# Allegro board LAY-29364_B.brd (continued)
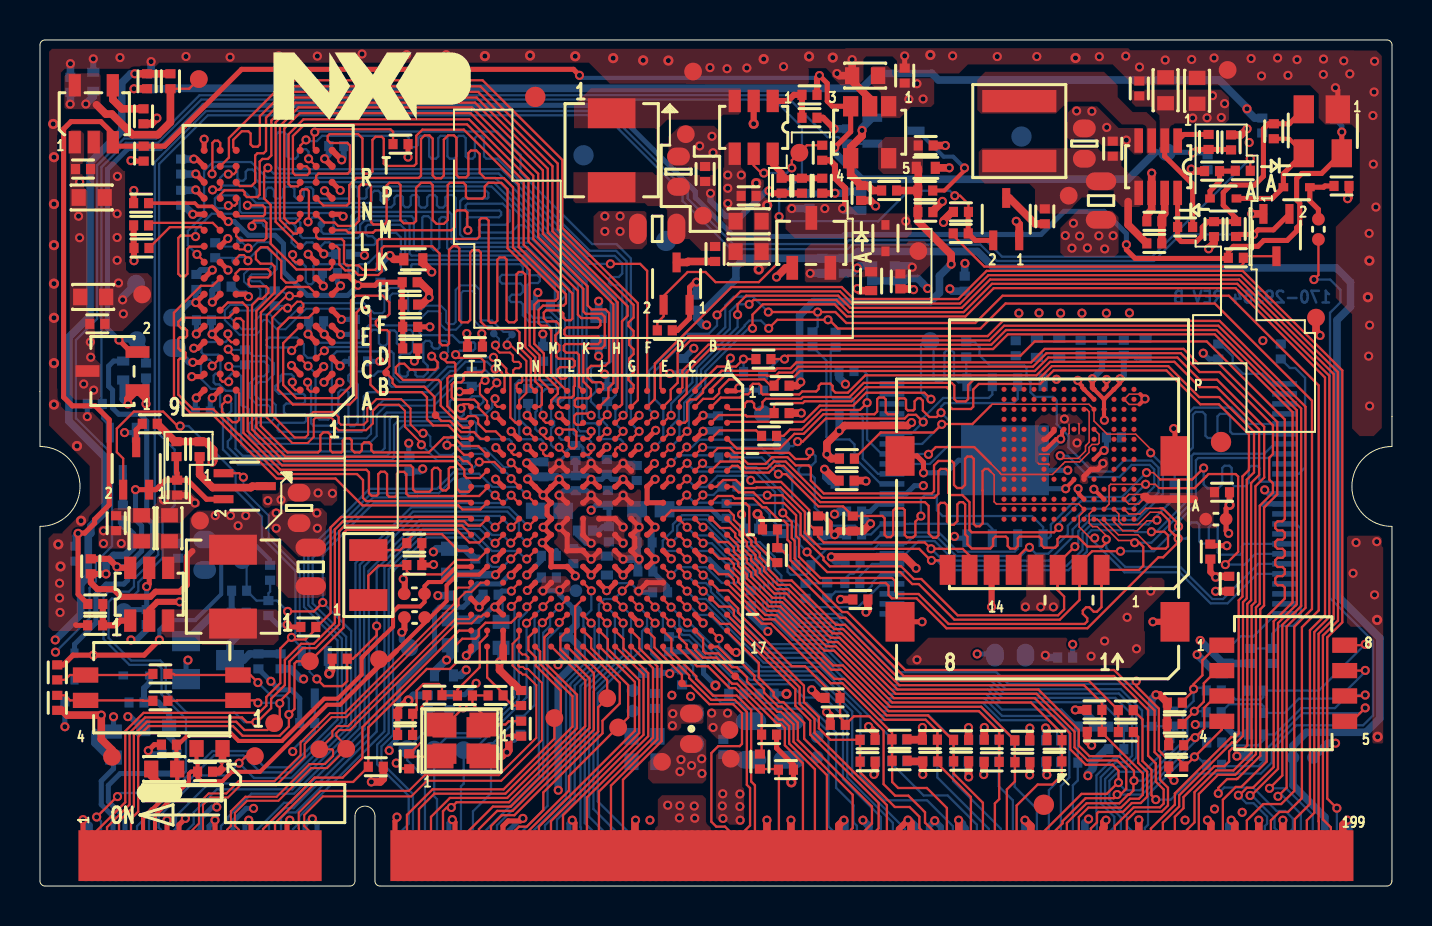
[diagram p0: board, top side]
## Routing (per net, layer and track width the routed paths; a pad name or vN(x,y) marks a point on that pad's centre or on a via; arc(x,y) is an arc through that point) (continued)
PMIC_ON_REQ: length 131.8
  TOP w0.114: U101.T9 22.01,18.04 21.43,18.04 21.21,18.26 15.15,18.26 14.74,17.85 14.74,13.17 13.69,12.12 13.05,12.12 12.24,11.31 12.24,10.06 11.56,9.37 11.56,8.9 10.86,8.2 v1(10.8,8.2) 10.34,8.2 10.1,8.44 5.25,8.44 4.48,7.66 4.48,4.07 3.35,2.95 P801.5
  TOP w0.254: Q704.2 61.68,32.84 60.91,32.84 v1(60.68,32.61) 59.91,32.61 R733.2
  BOTTOM w0.114: v1(10.8,8.2) 10.21,8.2 9.73,8.68 7.33,8.68 6.29,9.72 6.29,11.01 6.02,11.29 4.56,11.29 3.43,12.42 3.43,14.22 3.59,14.39 4.53,14.39 4.92,14.77 4.92,15.2 6.13,16.42 6.13,18.45 6.73,19.05 6.73,21.84 5.96,22.62 5.96,36.14 8.39,38.58 28.24,38.58 32.13,34.69 32.13,34.29 34.54,31.88 40.39,31.88 40.62,32.11 47.02,32.11 47.85,31.29 55.7,31.29 57.03,32.61 v1(60.68,32.61)
PMIC_STBY_REQ: length 54
  TOP w0.114: Q701.2 4.16,21.4 3.84,21.72 3.84,22.9 4.69,23.75 6.16,23.75 6.88,23.02 v1(7.01,23.02) ; P801.3 2.75,2.68 4.26,4.19 4.26,7.75 5.18,8.67 10.95,8.67 11.32,9.03 11.32,9.46 12.01,10.16 12.01,11.89 v1(12.57,12.45) 12.68,12.34 13.27,12.34 13.79,12.86 R714.1 13.83,12.97 14.53,13.66 14.53,17.94 15.06,18.47 21.47,18.47 U101.U9
  BOTTOM w0.114: v1(7.01,23.02) 7.43,23.02 9.78,20.67 9.78,19.81 11.1,18.49 11.1,17.45 12.77,15.78 12.77,12.65 v1(12.57,12.45) 13.09,11.93 Q501.2
POR_B: length 40.1
  TOP w0.114: v1(12.38,13.75) 13.7,13.75 v1(14.14,14.19) ; U101.P8 23.93,19.19 v1(23.56,19.56)
  BOTTOM w0.114: TP507.1 10.33,16.09 R511.2 10.83,14.29 C503.1 ; R519.2 11.5,14.74 11.42,14.66 C503.1 ; P801.16 6.65,2.74 6.8,2.89 6.8,3.5 8.44,5.14 12.61,5.14 15.56,8.09 15.56,12.77 v1(14.14,14.19) 14.14,16.62 16.69,19.17 23.17,19.17 v1(23.56,19.56) ; C503.1 11.84,14.29 v1(12.38,13.75)
RTC_XTALI: length 8.2
  TOP w0.114: 18.34,16.04 18.34,15.75 18.5,15.6 20.08,15.6 20.8,16.32 21.9,16.32 U101.T11 ; 18.34,16.04 18.34,16.04 16.92,16.04 16.42,15.54 Y502.1 ; 18.34,16.04 C507.1
RTC_XTALO: length 5.9
  TOP w0.114: Y502.2 18,16.81 C508.1 18.34,17.27 18.69,17.61 20.1,17.61 20.93,16.79 U101.U11
SD1_CD: length 14
  TOP w0.114: v1(28.36,13.96) 27.96,14.36 U101.J14
  BOTTOM w0.114: v1(28.36,13.96) 28.75,13.57 28.75,11.43 27.24,9.92 27.24,3.15 27.65,2.74 P801.74
SD1_CLK: length 55.1
  TOP w0.114: R411.2 v1(37.23,26.37) 37.4,26.55 49.03,26.55 49.74,27.26 58.34,27.26 62.24,23.35 62.24,18.37 62.13,18.26 61.88,18.26 61.77,18.14 61.77,17.91 61.88,17.8 62.13,17.8 62.24,17.68 62.24,17.46 62.13,17.34 61.88,17.34 61.77,17.23 61.77,17 61.88,16.88 62.13,16.88 62.24,16.77 62.24,16.54 62.13,16.43 61.88,16.43 61.77,16.31 61.77,16.08 61.88,15.97 62.13,15.97 62.24,15.85 62.24,15.63 62.13,15.51 61.88,15.51 61.77,15.4 61.77,15.17 61.88,15.05 62.13,15.05 62.24,14.94 62.24,14.39 61.34,13.48 61.34,6.23 60.07,4.96 59.79,4.96 59.15,4.32 P801.179
  BOTTOM w0.114: v1(37.23,26.37) 36.97,26.37 C418.2
SD1_CMD: length 54.9
  TOP w0.114: P801.173 57.35,2.8 57.73,3.19 57.73,4.7 58.82,5.78 59.68,5.78 60.59,6.69 60.59,14.03 60.78,14.22 60.78,20.01 61.21,20.45 61.21,22.99 58.86,25.34 57.98,25.34 56.88,26.45 50.42,26.45 49.74,25.78 38,25.78 37.71,25.48 37.04,25.48 36.71,25.15 R402.2 36.54,25.04 36.23,25.35 34.45,25.35 33.96,24.86 33.96,24.67 33.67,24.39 33.16,24.39 U101.C2
SD1_DATA0: length 54.7
  TOP w0.114: U101.B3 33.95,23.57 35.27,23.57 35.35,23.5 36.54,23.5 R403.2 36.71,24.06 36.82,24.17 38.15,24.17 38.24,24.26 40.58,24.26 41.28,24.97 45.35,24.97 45.5,24.81 45.5,23.99 45.62,23.88 46.55,23.88 46.66,23.99 46.66,24.85 46.94,25.13 50.01,25.13 50.69,25.81 56.33,25.81 58.02,24.11 58.95,24.11 60.45,22.61 60.45,20.83 60.13,20.5 60.13,14.49 59.94,14.3 59.94,7.63 59.77,7.46 59.57,7.46 56.75,4.63 56.75,4.07 55.55,2.88 P801.167
SD1_DATA1: length 54.9
  TOP w0.114: P801.171 56.75,3.46 57.18,3.9 57.18,4.45 58.73,6 59.23,6 59.46,6.23 59.46,6.74 59.61,6.89 60.22,6.89 60.37,7.04 60.37,14.12 60.56,14.31 60.56,20.17 60.96,20.57 60.96,22.86 58.85,24.97 57.99,24.97 56.72,26.24 50.51,26.24 49.83,25.56 41.27,25.56 40.4,24.69 39.78,24.69 39.63,24.84 39.63,25.03 39.52,25.15 39.05,25.15 38.94,25.03 38.94,24.88 38.81,24.75 38.12,24.75 37.97,24.61 36.14,24.61 36.06,24.69 36.06,25.02 35.95,25.14 35.65,25.14 35.53,25.02 35.53,24.73 35.41,24.61 35.17,24.61 35,24.45 34.04,24.45 33.58,23.98 U101.B2
SD1_DATA2: length 54.2
  TOP w0.114: U101.B1 33.56,24.88 34.25,25.57 36.34,25.57 36.36,25.55 36.8,25.55 36.95,25.7 37.62,25.7 37.91,25.99 49.65,25.99 50.33,26.67 57.04,26.67 57.98,25.73 58.98,25.73 61.65,23.06 61.65,21.62 61.47,21.44 61.47,20.34 61.65,20.16 61.65,19.69 60.99,19.03 60.99,14.13 60.8,13.94 60.8,6.6 59.77,5.57 58.9,5.57 57.95,4.61 P801.175
SD1_DATA3: length 54.1
  TOP w0.114: P801.169 56.15,3.17 56.96,3.98 56.96,4.54 59.61,7.19 59.84,7.19 60.15,7.51 60.15,14.21 60.34,14.4 60.34,20.34 60.71,20.7 60.71,22.73 58.97,24.47 57.96,24.47 56.42,26.02 50.6,26.02 49.92,25.35 46.68,25.35 46.41,25.07 46.41,24.37 46.29,24.26 45.83,24.26 45.72,24.37 45.72,25.05 45.59,25.18 41.19,25.18 40.49,24.48 38.15,24.48 38.06,24.39 36.29,24.39 36.13,24.23 36.13,23.98 36,23.85 35.82,23.85 35.71,23.97 35.71,24.14 35.59,24.26 35.36,24.26 35.25,24.14 35.25,24 35.1,23.85 34.49,23.85 U101.A2
SHIFT_NOE: length 31.2
  TOP w0.114: v1(24.37,17.99) 24.41,17.99 24.76,18.34 U101.N9
  BOTTOM w0.114: P801.18 7.25,2.68 7.68,3.11 7.68,3.68 8.84,4.84 12.62,4.84 15.77,8 15.77,16.17 18.56,18.96 23.45,18.96 24.37,18.04 v1(24.37,17.99)
SHIFT_STCP: length 29.7
  TOP w0.114: U101.N10 v1(24.35,17.18)
  BOTTOM w0.114: P801.24 9.05,3.01 9.38,3.34 9.38,3.43 10.57,4.62 12.71,4.62 15.99,7.91 15.99,16.08 18.65,18.74 23.36,18.74 23.95,18.16 23.95,17.58 v1(24.35,17.18)
UART1_RXD: length 14.3
  TOP w0.114: U101.K16 27.56,12.38 27.56,11.91 29.41,10.06 29.41,8.44 TP803.1 28.88,7.94 26.45,5.51 26.45,4.78 24.35,2.68 P801.63
UART1_TXD: length 16.5
  TOP w0.114: U101.K14 26.76,13.99 26.76,11.91 28.36,10.31 TP802.1 27.91,8.95 27.91,7.74 23.72,3.55 23.09,3.55 22.55,3 P801.57
UART2_CTS_BB: length 12.7
  TOP w0.114: U101.H17 28.78,11.98 30.18,10.58 30.18,7.57 26.15,3.54 P801.69
UART2_RTS_BB: length 13.2
  TOP w0.114: U101.H16 28.76,12.79 29.18,12.37 29.18,11.89 30.41,10.65 30.41,7.5 27.35,4.44 P801.73
UART2_RXD: length 13.9
  TOP w0.114: U101.J16 28.39,12.35 28.39,11.87 29.96,10.31 29.96,7.66 25.55,3.25 P801.67
UART2_TXD: length 13.2
  TOP w0.114: U101.J17 27.98,11.98 29.75,10.22 29.75,7.77 24.95,2.97 P801.65
USB_OTG1_DN: length 20.1
  TOP w0.102: P801.27 9.95,2.81 9.75,3.02 9.75,3.66 10.36,4.27 11.92,4.27 13.56,5.9 14.36,5.9 15.11,6.66 TP807.1 15.31,7.01 14.82,7.5 14.82,7.66 14.96,7.8 15.49,7.8 15.52,7.83 20.83,13.15 21.59,13.15 21.92,13.48 22.07,13.48 22.17,13.58 U101.T15
USB_OTG1_DP: length 20.2
  TOP w0.102: U101.U15 21.56,13.48 21.44,13.36 20.76,13.36 15.4,8.01 14.87,8.01 14.62,7.76 14.62,7.5 TP808.1 14.6,6.84 14.66,6.79 14.66,6.51 14.25,6.11 13.47,6.11 11.84,4.47 10.27,4.47 9.54,3.74 9.54,3.01 9.35,2.81 P801.25
USB_OTG1_VBUS: length 26.6
  TOP w0.203: C808.1 7.55,5.73 7.45,5.62 7.45,5.24 5.75,3.54 P801.13 ; C808.1 7.88,5.45 8.08,5.24 9.12,5.24 9.59,5.72 11,5.72 14.35,9.07 15.01,9.07 16.39,10.46 ; C808.1 7.88,6.14 7.83,6.19 C807.1 ; U101.T12 21.96,15.59 20.86,15.59 20.33,15.06 20.33,14.26 19.51,13.44 C407.1 19.24,13.18 17.83,11.77
  TOP w0.254: 17.83,11.77 17.41,11.35 TP809.1 16.96,11.02 16.39,10.46
USB_OTG2_DN: length 21.9
  TOP w0.102: P801.21 8.15,3.04 8.15,3.05 8.15,4.06 8.52,4.43 9.4,4.43 10.02,5.05 11.81,5.05 13.23,6.47 13.23,7.1 14.58,8.45 15.32,8.45 20.86,13.99 20.93,14.06 20.93,14.37 21.29,14.72 21.57,14.72 22.04,15.19 U101.T13
USB_OTG2_DP: length 21.8
  TOP w0.102: P801.19 7.55,2.73 7.95,3.13 7.95,4.15 8.44,4.64 9.32,4.64 9.93,5.25 11.73,5.25 13.03,6.55 13.03,7.19 14.5,8.66 15.23,8.66 20.72,14.14 20.72,14.74 20.91,14.94 21.44,14.94 21.56,15.05 U101.U13
USB_OTG2_VBUS: length 26.4
  TOP w0.203: U101.U12 20.83,15.98 20.06,15.21 19.43,15.21 19.23,15.01 C412.1 19.23,14.21 19.01,13.99 17.93,13.99 17.65,13.72 17.65,12.98 17.24,12.56 17.22,12.56 16.15,11.49 16.15,11.47 16.08,11.41 16.08,10.58 14.88,9.38 14.22,9.38 12.1,7.26 9.94,7.26 9.54,7.66 7.5,7.66 6.92,7.08 C806.1 6.82,5.9 C805.1 6.86,5.09 5.61,3.83 5.58,3.83 5.15,3.4 P801.11
VEXT_3V3:
  vias: v1(31.39,4.05) v1(32,4.02) v1(31.97,3.41) v1(32.71,4.01) v1(32.74,3.4)
VLDO_1V8: length 1.5
  BOTTOM w0.381: v1(43.61,30.97) 43.55,31.04 R702.1 ; v1(38.51,30.66) 38.52,30.67 R704.1
VLDO_3V3: length 9.3
  TOP w0.114: R709.1 7.46,39.9 TP704.1
  TOP w0.381: R709.1 6.52,38.23 5.9,37.61 4.62,37.61 3.59,38.64 3.29,38.64 2.82,39.11
  BOTTOM w0.381: C719.1 1.52,39.15 v1(1.51,39.14) ; v1(2.29,39.14) 2.66,39.51 2.66,39.78 C718.1
VSYS: length 6.2
  TOP w0.254: R716.1 57.64,35.13 56.24,36.53 U703.2
  BOTTOM w0.305: R759.1 5.33,12.83 4.83,12.32 v1(4.55,12.32)
  vias: v1(1.93,33.53) v1(1.98,35.24) v1(1.98,32.45) v1(2.18,25.13) v1(2.52,27.23) v1(2.54,26.47) v1(2.68,24.82) v1(3.18,17.78) v1(3.18,17.14) v1(4.06,17.14) v1(34.14,4.62) v1(34.12,4.01) v1(34.15,3.38) v1(34.39,35.59) v1(34.39,34.92) v1(34.39,34.16) v1(35,4.61) v1(34.99,3.98) v1(35.01,3.3) v1(35.06,35.59) v1(43.45,39.38) v1(43.85,40.16) v1(44.16,39.39) v1(57.64,38.44) v1(58.36,38.45) v1(58.63,39.56) v1(59.07,38.47) v1(59.23,39.16)
XTAL_CMPT: length 3.3
  TOP w0.114: v1(21.16,8.92) 20.33,8.09 Y501.2
  BOTTOM w0.114: R516.1 19.7,8.8 19.73,8.83 R517.1 21.07,8.83 v1(21.16,8.92)
XTALI: length 8.8
  TOP w0.114: U101.T16 22.36,12.54 21.99,12.17 21.99,10.95 20.87,9.83 R508.1 20.14,9.54 20.13,9.55 R518.1 20.1,9.96 19.95,10.11 19.17,10.11 18.83,9.78 18.83,8.82 C505.1 18.64,7.57 R510.1
XTALO: length 3.9
  TOP w0.114: U101.T17 22.36,10.44 23.07,9.73 23.07,9.63 R514.2 23.16,9.51 23.63,9.04 R520.2
ZQPAD: length 3.1
  TOP w0.114: U101.N4 24.36,22.78 v1(24.35,22.78)
  BOTTOM w0.114: v1(24.35,22.78) 24.35,22.98 23.97,23.37 23.97,24.59 24.28,24.9 R205.2
N299288: length 4.6
  TOP w0.114: U101.A8 34.39,19.16 35.28,19.16 35.47,18.98 35.47,17.7 35.79,17.38 35.79,17.17 36.31,16.65 36.31,16.63 36.76,16.19 R413.1
N300247: length 6.9
  TOP w0.114: U101.F14 30.76,13.99 v1(30.76,13.96)
  BOTTOM w0.114: R409.1 34.44,10.29 32.44,12.29 32.09,12.29 31.91,12.48 C420.2 31.15,12.78 31.15,13.57 v1(30.76,13.96)
N300263: length 7.6
  TOP w0.114: R410.1 36.08,6.69 C421.1 36.08,8.59 34.76,9.91 34.49,9.91 33.4,11 32.85,11 31.96,11.89 U101.D17
N309462: length 4.9
  TOP w0.114: R518.2 19.35,9.23 19.08,8.96 19.08,7.22 18.51,6.64 18.49,6.64 R515.2 18.49,6.62 18.63,6.48 19.97,6.48 Y501.3
N470460: length 5.8
  TOP w0.305: R719.1 C819.1 36.57,34.68 v1(36.45,34.8)
  BOTTOM w0.305: v1(33.53,34.67) 33.53,34.29 34.29,33.53 35.05,33.53 36.32,34.8 v1(36.45,34.8)
N470472: length 3.4
  TOP w0.305: R723.1 R719.2 C819.2 37.08,35.69 36.64,36.13 U706.6
N475886: length 16.1
  TOP w0.305: 7.62,16.76 7.34,16.48 7.34,15.07 7,14.73 5.78,14.73 5.52,14.48 4.06,14.48 3.68,14.86 2.87,14.86 2.54,15.19 C820.1 2.55,15.62 v1(3.3,15.62)
  TOP w0.381: v1(8.61,21.21) 8.69,21.29 8.69,21.83 8.28,22.24 R708.1 7.98,22.24 R706.1 6.76,22.24 R707.1
  BOTTOM w0.381: R737.1 4.15,18.08 4.64,17.59 4.64,16.93 4.25,16.55 3.68,16.55 3.3,16.17 v1(3.3,15.62)
  vias: v1(8.76,18.54) v1(9.53,18.54) v1(9.91,18.03) v1(10.29,18.54)
N475908: length 13.1
  TOP w0.254: R713.1 7.37,20.31 8.32,19.36 Q702.1 ; R713.1 6.86,20.67 6.83,20.7 R706.2 ; R713.1 6.26,20.31 5.79,19.84 Q701.1 v1(4.78,19.84)
  TOP w0.305: U702.6 3.9,15.93 v1(3.85,15.98) 3.45,16.38 C820.2
  BOTTOM w0.254: v1(4.78,19.84) 4.78,18.34 5.08,18.03 5.08,16.76 4.29,15.98 v1(3.85,15.98)
N476911: length 1.3
  TOP w0.254: Q701.3 4.81,22.83 R707.2
N477774: length 4.5
  TOP w0.381: R708.2 7.98,20.59 8.63,19.94 10.54,19.94 10.62,20.01 Q702.3
N482885: length 1.7
  TOP w0.254: R726.1 57.19,37.62 U703.1
N482959: length 2.5
  TOP w0.381: 54.41,34.26 54.41,33.1 R717.1
N483005: length 2.6
  TOP w0.381: R717.2 56.09,33.27 R718.1 56.1,33.52 56.24,33.66 U703.7
N535963: length 2.4
  TOP w0.381: U704.4 3.64,39.36 4.1,38.9 C720.1
N549057: length 14.8
  TOP w0.254: U703.8 56.89,34.69 R716.2 56.89,32.44 57.07,32.26 57.82,32.26 58.12,32.55 58.12,32.97 58.4,33.25 C737.1 59.8,33.25 R733.1 59.81,33.43 59.17,34.07 59.17,34.71 59.54,35.08 60.73,35.08 61.18,35.53 61.18,37.89 61.43,38.15 R758.2 62.47,38.15 U708.2
N560035: length 2.7
  TOP w0.305: U706.1 37.39,39.29 37.69,39.6 R722.1 C735.1
N97352648: length 9.5
  TOP w0.114: SW601.6 66.22,9.51 v1(66.27,9.56)
  BOTTOM w0.114: R628.2 59.24,7.04 60.91,7.04 61.19,7.31 R618.1 61.75,7.59 63.07,8.91 64.75,8.91 65.41,9.56 v1(66.27,9.56)
N97352650: length 10
  TOP w0.114: SW601.5 65.59,8.24 v1(66.27,8.92)
  BOTTOM w0.114: R627.2 59.15,6 60.94,6 61.18,6.25 R617.1 61.18,6.71 63.12,8.65 66,8.65 v1(66.27,8.92)
N97352656: length 9.7
  TOP w0.114: SW601.7 66.26,10.78 v1(66.27,10.79)
  BOTTOM w0.114: v1(66.27,10.79) 66.27,10.73 64.92,9.38 62.95,9.38 62.24,8.66 R619.1 61.18,9 61.08,9.1 59.46,9.1 R629.2
N97352662: length 9.8
  TOP w0.114: SW601.8 66.22,12.05 v1(66.27,12.1)
  BOTTOM w0.114: R630.2 59.33,9.79 59.78,9.33 61.05,9.33 61.17,9.46 R624.1 63.95,9.78 66.26,12.1 v1(66.27,12.1)
N97516911: length 5.4
  TOP w0.203: v1(46.23,35.94) 46.23,35.81 45.23,34.81 R721.2
  BOTTOM w0.203: v1(46.23,35.94) 45.66,36.51 45.18,36.51 43.89,37.81 Q703.3
N97552352: length 5.2
  TOP w0.381: R720.2 41.63,34.81 41.38,35.06 R724.1 40.54,35.59 U707.4 40.54,36.98 41.11,37.55 v1(41.11,37.82)
  BOTTOM w0.381: Q703.1 41.11,37.94 v1(41.11,37.82)
N97596057: length 4.9
  TOP w0.114: R625.1 1.25,9.54 1.5,9.29 SW602.4 5.14,9.29 5.16,9.27 R656.2
N97596081: length 4.9
  TOP w0.114: R655.2 5.36,10.62 5.31,10.56 SW602.3 1.49,10.56 1.25,10.32 R626.1
N98008264: length 4.4
  TOP w0.114: U101.C1 32.76,24.9 33.86,26 34.8,26 v1(35.17,26.37) 35.18,26.37 R411.1
  BOTTOM w0.114: v1(35.17,26.37) 35.18,26.37 C422.2
N98468969: length 17.3
  TOP w0.114: R740.2 45.67,32.56 47.22,31.01 60.02,31.01 60.17,31.16 R735.2 60.25,31.53 61.82,31.53 Q704.3
N98472195: length 2.5
  TOP w0.381: R734.2 49.76,33.14 48.47,34.44 Q705.3
N98472663: length 1.9
  TOP w0.381: R736.2 32.4,31.26 32.36,31.21 Q706.3
N98473370: length 1.5
  BOTTOM w0.381: Q707.3 4.15,20.57 R737.2
N98645062: length 5.4
  BOTTOM w0.381: C501.1 10.92,11.62 R512.2 10.49,11.62 10.18,11.31 U501.3 9.5,12.14 10.31,12.95 R501.1
N98645064: length 4
  BOTTOM w0.305: R501.2 9.58,13.7 R511.1
  BOTTOM w0.381: R501.2 8.73,13.68 U501.2
N98716241: length 2.4
  TOP w0.254: R757.2 59.75,35.78 C739.1 58.98,35.26 58.51,34.79 D702.C
N98716244: length 6.5
  TOP w0.203: R758.1 62.47,37.4 U708.3
  TOP w0.254: D702.A 61.61,34.41 D705.A 62.17,35.66 U708.3
N98738134: length 3
  TOP w0.254: R755.1 64.25,35.04 64.19,34.98 D705.C 63.5,34.29 63.93,33.86 C738.2
N99172123: length 10.4
  TOP w0.114: R515.1 18.45,5.88 18.15,5.88 18.14,5.89 18.07,5.89 v1(17.81,6.15)
  POWER w0.114: v1(17.81,6.15) 17.85,6.19 17.85,6.94 17.62,7.17 12.99,7.17 12.64,6.82 v1(12.64,6.73)
  BOTTOM w0.114: v1(12.64,6.73) 12.64,6.82 13.06,7.24 13.27,7.24 13.74,7.71 R513.2 13.74,9.39 Q501.3
N100035660: length 2.5
  TOP w0.305: U702.1 4.01,13.28 3.78,13.05 C707.1 3.14,13.06 R710.1
N100071137: length 3.5
  BOTTOM w0.114: R307.1 60.03,12.49 60.67,12.49 61.8,13.62 U302.48
N100071182: length 9
  BOTTOM w0.114: U302.39 62.81,18.13 63.04,17.89 63.04,13.41 62.66,13.02 62.01,13.02 61.61,12.63 R302.2 R308.1
N100071695: length 7.2
  BOTTOM w0.114: R309.1 62.5,25.93 62.77,25.93 63.26,25.44 63.26,20.95 62.94,20.63 U302.34
N100071844: length 9
  BOTTOM w0.114: U302.29 60.4,23.13 59.59,23.95 57.7,23.95 57.43,23.68 57.43,22.05 56.74,21.36 R324.1
N100071879: length 4.4
  BOTTOM w0.114: R310.1 59.03,27.13 59.64,26.52 59.64,26.16 60.16,25.64 61.11,25.64 61.62,25.13 U302.25
N100072724: length 8.6
  TOP w0.114: U101.D8 v1(32.34,19.57)
  BOTTOM w0.114: v1(32.34,19.57) 32.72,19.19 34.3,19.19 C423.2 34.4,19.09 36,19.09 36.49,18.61 36.49,18.44 36.87,18.06 37.61,18.06 37.76,17.91 37.76,17.01 37.8,16.98 R406.1
N100072774: length 2.8
  TOP w0.114: U101.B4 33.98,22.8 35.81,22.8 R412.1
N100072844: length 1.7
  TOP w0.114: U101.C8 v1(33.15,19.57)
  BOTTOM w0.114: R407.1 33.67,19.57 v1(33.15,19.57)
N100072898: length 3.1
  TOP w0.114: U101.E6 v1(31.56,21.19)
  BOTTOM w0.114: R408.1 33.83,21.56 31.93,21.56 v1(31.56,21.19)

## Copper pours and planes (outline as drawn; the poured copper is in the pictures)
GND on TOP: 53.93,37.94 55.15,37.94 55.19,37.91 55.19,36.74 55.07,36.62 54.71,36.62 54.29,37.04 53.12,37.04 52.86,37.3 51.54,37.3 51.38,37.46 51.38,38.23 51.39,38.24 51.39,38.71 51.7,39.03 52.85,39.03
GND on TOP: 33.55,8.95 34.67,8.95 34.89,8.72 34.89,7.65 34.61,7.37 33.86,7.37 33.35,7.87 33.35,8.75
GND on TOP: 33.71,38.05 33.91,37.85 33.91,37.08 34.04,36.96 34.04,36.06 33.78,35.81 32.97,35.81 32.82,35.95 31.55,35.95 31.43,36.08 31.43,37.49 31.99,38.05
GND on TOP: 36.58,34.29 36.45,34.42 36.32,34.42 36.2,34.54 36.2,35.31 36.07,35.43 35.69,35.43 35.56,35.31 35.56,34.16 35.69,34.04 35.69,30.73 35.81,30.61 36.2,30.61 36.58,30.99
GND on TOP: 3.56,18.29 4.45,18.29 4.57,18.16 6.99,18.16 7.75,18.92 7.87,18.92 8,19.05 8,19.3 7.49,19.81 6.22,19.81 5.84,19.43 5.84,19.18 5.59,18.92 3.68,18.92 3.56,18.8
GND on TOP: 0.75,12.76 0.74,12.76 0.63,12.76 0.42,12.97 0.42,17.41 0.67,17.65 1.13,17.65 1.13,17.71 2.48,19.06 2.48,21.03 0.45,23.06 0.45,41.76 0.6,41.9 40.26,41.9 40.29,41.94 54.42,41.94 54.52,41.83 59.24,41.83 59.24,41.83 65.69,41.83 65.7,41.82 66.83,41.82 67.09,41.55 67.09,22.92 66.69,22.52 65.98,22.52 65.61,22.9 65.61,28.62 64.79,29.44 64.79,32.99 66,34.19 66,37.7 65.58,38.11 64.27,38.11 63.94,38.45 63.94,39.64 63.5,40.08 54.68,40.08 53.64,41.12 46.4,41.12 45.95,40.67 42.97,40.67 42.85,40.79 42.85,41.3 42.63,41.52 41.31,41.52 41.18,41.39 41.18,40.36 40.88,40.07 40.05,40.07 39.6,40.52 39.6,40.64 39.3,40.94 38.4,40.94 38.44,40.89 38.44,40.21 38.37,40.13 33.3,40.13 33.29,40.14 32.3,40.14 32.28,40.16 28.49,40.16 27.45,41.21 5.96,41.21 5.65,40.9 1.24,40.9 1.04,40.71 1.04,24.01 1.29,23.77 2.56,23.77 3.21,23.13 3.21,18.9 2.11,17.8 2.11,17 2.16,17 2.16,14.86 1.91,14.61 1.91,12.83 1.84,12.76
GND on TOP: 66.63,7.19 66.63,12.45 66.11,12.97 65.56,12.97 65.31,13.22 65.31,17.41 65.44,17.54 66.96,17.54 67.09,17.41 67.09,17.02 67.17,16.94 67.17,7.19 67.11,7.14 66.68,7.14
GND on TOP: 2.38,37.84 2.99,37.84 3.18,37.65 3.18,36.57 3.48,36.26 3.71,36.26 4.18,35.79 4.25,35.79 4.25,31.25 4.3,31.2 4.3,30.83 4.46,30.68 5.38,30.68 5.59,30.46 5.59,29.25 4.12,27.78 3.09,27.78 2.97,27.9 2.97,28.74 2.73,28.98 2.73,35.03 2.27,35.49 2.27,36.35 2.37,36.44 2.37,37.82
GND on TOP: 12.41,20.2 13.93,20.2 13.97,20.16 14.77,20.16 14.86,20.07 14.86,19.3 14.6,19.05 14.22,19.05 14.22,19.05 14.01,19.26 12.39,19.26 12.07,18.93 11.25,18.93 11.12,19.06 11.12,19.62 11.2,19.7 11.75,19.7 12.2,20.16 12.36,20.16
GND on BOTTOM: 27.3,15.98 29.12,15.98 29.48,15.61 29.48,15.41 29.39,15.32 28.23,15.32 27.39,14.48 26.54,14.48 25.84,15.18 25.55,15.18 25.44,15.3 25.44,16.68 25.15,16.97 24.92,16.97 24.65,17.24 24.65,18.01 24.36,18.29 24.36,19.78 24.16,19.98 24.16,20.48 24.48,20.8 28.84,20.8 29.07,20.57 30.15,20.57 30.3,20.72 30.3,21.28 29.68,21.9 29.68,22.19 29.76,22.27 30.04,22.27 31.14,21.17 31.14,19.94 31.66,19.42 31.66,14.5 31.52,14.36 31.21,14.36 30.89,14.68 30.89,15.06 30.58,15.37 30.53,15.37 30.37,15.52 30.37,16.33 30.5,16.45 30.5,17.92 30.76,18.19 30.76,19.19 30.5,19.45 30.5,19.81 30.28,20.03 29.24,20.03 29.07,20.21 27.74,20.21 27.64,20.12 27.51,20.12 27.35,20.27 26.26,20.27 26.11,20.12 25.81,20.12 25.4,19.72 25.4,17.49 26.49,16.4 26.87,16.4
GND on BOTTOM: 6.72,16.48 7.31,16.48 7.54,16.25 8.52,16.25 8.71,16.06 8.71,14.55 8.19,14.03 6.85,14.03 6.32,14.55 6.32,16.06 6.72,16.45
GND on BOTTOM: 55.72,0.41 55.72,0.41 55.72,3.65 56.16,4.1 59.78,4.1 59.85,4.03 60.41,4.03 60.84,3.61 60.97,3.61 61.15,3.43 61.15,3.01 60.89,2.76 60.89,0.47 60.82,0.41
GND on BOTTOM: 55.8,28.7 55.8,27.18 55.68,27.05 48.65,27.05 48.45,27.25 48.45,27.32 48.24,27.32 47.86,27.7 47.86,28.99 48.03,29.16 53.59,29.16 53.8,28.96 55.55,28.96
GND on BOTTOM: 30.75,38.77 35.5,38.77 36.91,37.36 36.91,34.01 36.55,33.66 34.51,33.66 30.57,37.59 30.57,38.59
GND on BOTTOM: 31.14,10.29 32.59,10.29 33.83,9.05 37.83,9.05 39.21,7.67 39.21,7.28 39.03,7.1 38.37,7.1 38.37,7.1 38.16,7.1 37.42,7.84 35.47,7.84 34.73,7.1 33.86,7.1 33.45,7.51 33.45,7.87 33.16,8.16 32.09,8.16 32.09,8.8 31.94,8.95 31.94,9.11 31.64,9.41 29.11,9.41 28.67,8.96 28.67,5.05 30.04,3.68 30.5,3.68 30.89,3.3 30.89,0.46 29.83,0.46 29.83,2.78 29.68,2.93 29.63,2.93 28.16,4.4 28.16,9.5 29.86,11.2 30.62,11.2 30.97,10.85 30.97,10.46
GND on BOTTOM: 65.35,17.61 67.01,17.61 67.17,17.46 67.17,14.25 67.07,14.15 65.7,14.15 65.19,14.66 65.19,17.46
GND on BOTTOM: 46.1,23.11 50.42,23.11 50.55,22.99 50.55,19.56 50.42,19.43 46.1,19.43 45.97,19.56 45.97,22.99
GND on BOTTOM: 0.64,13.34 0.42,13.57 0.42,17.42 0.52,17.52 1.01,17.52 1.01,17.54 2.45,18.99 2.45,21.08 0.52,23.01 0.52,41.61 0.79,41.88 59.96,41.88 59.96,41.87 64.57,41.87 64.58,41.87 66.95,41.87 67.17,41.64 67.17,22.72 66.94,22.49 65.51,22.49 65.22,22.78 65.22,30.97 64.79,31.4 58.2,31.4 56.89,32.7 56.89,34.92 55.56,34.92 54.84,35.63 46.41,35.63 44.79,37.25 44.79,38.91 45.63,39.75 59.04,39.75 60.71,38.08 61.57,38.08 61.67,38.17 61.67,38.93 59.85,40.74 45.09,40.74 44.53,41.31 43.49,41.31 43.3,41.11 40.98,41.11 40.32,40.45 5.37,40.45 4.82,41 3.91,41 3.62,40.71 3.62,38.26 3.17,37.82 2.83,37.82 1.79,36.77 1.79,28.38 1.09,27.69 1.09,23.16 2.84,21.41 2.84,17 2.33,16.49 2.39,16.43 2.39,14.44 1.3,13.34
GND on GND: 0.41,1.4 0.41,17.63 2.41,20 0.41,22.37 0.41,25.16 0.41,41.94 67.2,41.94 67.2,23.9 67.19,23.9 67.19,22.37 65.19,20 67.19,17.63 67.19,1.41 17.3,1.41 17.19,1.52 17.19,3.93 16.71,4.4 16.7,4.41 15.82,4.41 15.33,3.93 15.33,1.46 15.28,1.4
GND on POWER: 0.56,1.39 0.56,8.4 0.6,8.44 1.33,8.44 4.18,5.59 16.69,5.59 18.03,4.25 26.51,4.25 27.12,3.65 27.12,1.38 17.25,1.38 17.18,1.45 17.18,3.89 16.67,4.4 16.42,4.4 16.41,4.42 16.12,4.42 16.1,4.4 15.84,4.4 15.33,3.88 15.33,1.45 15.26,1.39
GND on POWER: 58.68,5.22 61.68,5.22 63.26,6.8 66.62,6.8 67.13,6.29 67.13,1.37 57.05,1.37 57.05,3.59
GND on POWER: 5.74,20.74 8.29,20.74 8.58,20.45 8.58,10.07 8.36,9.85 6.26,9.85 5.64,10.47 5.64,20.64
VDD_ARM_CAP on TOP: 29.44,18.65 29.81,18.65 30.18,18.28 30.18,16.2 30.04,16.06 29.83,16.06 29.67,16.22 29.4,16.22 29.29,16.11 29.02,16.11 28.57,16.56 28.57,16.83 28.68,16.95 28.74,16.95 28.96,16.73 29.04,16.73 29.08,16.69 29.28,16.69 29.56,16.97 29.56,17.35 29.39,17.51 29.39,17.72 29.6,17.93 29.6,18.13 29.36,18.37 29.36,18.57
VDD_ARM_CAP on BOTTOM: 30.39,16.74 30.22,16.57 30.22,15.57 30.15,15.51 29.73,15.51 29.62,15.61 29.62,15.99 29.49,16.12 29.07,16.12 28.96,16.23 28.96,16.5 29.02,16.56 29.46,16.56 29.6,16.69 29.6,18.11 29.35,18.36 29.35,19.29 29.45,19.38 30.37,19.38 30.39,19.36
VDD_ARM_SOC_IN on TOP: 11.63,18.86 12.13,18.86 12.32,18.67 13.46,18.67 13.72,18.92 14.1,18.92 14.35,18.67 14.35,16.64 14.2,16.48 12.93,16.48 11.4,18.01 11.4,18.63
VDD_ARM_SOC_IN on TOP: 27.1,18.55 28.88,18.55 29.41,18.03 29.41,17.85 29.22,17.66 29.22,17.46 29.39,17.29 29.39,17.06 29.24,16.91 29.05,16.91 28.87,17.09 28.6,17.09 28.45,16.94 28.28,16.94 28.13,17.08 28.06,17.08 28,17.15 27.87,17.15 27.68,16.96 27.4,16.96 26.98,17.37 26.98,18.44
VDD_ARM_SOC_IN on BOTTOM: 29.36,18.26 29.47,18.15 29.47,16.72 28.99,16.72 28.83,16.56 28.83,16.34 28.7,16.21 28.03,16.21 27.85,16.39 27.85,16.72 27.81,16.72 27.76,16.77 27.57,16.77 27.19,17.15 27.19,17.16 27.19,17.32 27.24,17.37 27.83,17.37 27.83,17.38 28,17.55 28,17.91 28.1,18.01 28.71,18.01 28.96,18.26
VDD_ARM_SOC_IN on POWER: 11.28,14.87 11.26,14.9 11.26,18.52 11.38,18.64 11.64,18.9 14.12,18.9 14.38,18.64 25.05,18.64 25.94,19.53 25.94,20.52 29.43,20.52 29.43,16.17 28.95,15.68 27.57,15.68 26.94,15.05 26.22,15.77 24.04,15.77 23.14,14.87
VDD_HIGH_CAP on POWER: 8.86,19.89 9.68,20.71 17.52,20.71 18,20.24 22.69,20.24 22.92,20.01 23.66,20.01 24.01,20.36 24.01,21.46 24.13,21.58 24.95,21.58 25.34,21.19 25.34,20.94 25.69,20.59 25.69,19.64 24.95,18.9 11.28,18.9 11.08,18.71 11.01,18.63 11.01,14.79 11.18,14.62 23.16,14.62 23.16,12.4 20.55,12.4 19.04,10.9 9.07,10.9 8.86,11.1
VDD_HIGH_IN on TOP: 33.2,8.92 33.2,8.23 33.1,8.13 32.26,8.13 31.9,7.77 31.47,7.77 31.37,7.87 31.37,8.92 31.55,9.09 33.02,9.09
VDD_HIGH_IN on POWER: 27.95,7.79 25.83,9.9 21.11,9.9 20.65,10.36 20.65,12.05 20.75,12.15 23.25,12.15 23.26,12.14 23.3,12.15 23.33,12.15 23.35,12.16 23.36,12.17 23.38,12.2 23.41,12.22 23.41,12.24 23.42,12.26 23.41,12.29 23.41,14.78 24.14,15.52 26.11,15.52 26.88,14.75 26.88,11.92 29.3,9.51 32,9.51 32.47,9.04 32.47,7.89 32.36,7.79
VDD_SNVS_3V3 on BOTTOM: 3.69,28.05 5.04,28.05 5.53,27.56 5.53,25.99 5.46,25.92 3.79,25.92 3.48,26.22 3.48,27.84
VDD_SNVS_IN on BOTTOM: 4.19,10.79 4.55,10.79 4.81,10.54 4.81,9.03 4.64,8.86 4.16,8.86 4.13,8.88 3.72,8.88 3.1,8.27 3.1,7.42 2.07,7.42 1.67,7.82 1.67,9.54 1.29,9.92 1.29,10.56 2.54,11.81 3.18,11.81
VDD_SOC_CAP on TOP: 25.91,19.84 29.99,19.84 30.25,19.59 30.25,19.23 30,18.98 27.81,18.98 27.8,18.99 26.95,18.99 26.62,18.67 26.62,17.48 27.18,16.92 27.97,16.92 28.13,16.77 28.13,16.44 27.83,16.14 26.73,16.14 25.71,17.16 25.71,19.65
VDD_SOC_CAP on BOTTOM: 26.02,20.11 27.34,20.11 27.45,20 27.9,20 28.03,20.13 28.9,20.13 29.17,19.87 29.3,19.87 29.3,19.84 29.46,19.68 29.46,19.45 29.21,19.2 28.98,19.2 28.72,19.45 27.93,19.45 27.64,19.16 27.48,19.16 26.68,18.37 26.49,18.37 26.33,18.2 26.33,17.26 26.49,17.1 27.06,17.1 27.77,16.38 27.77,16.17 27.67,16.07 27.39,16.07 27.17,16.28 27.17,16.42 26.99,16.6 26.49,16.6 25.58,17.5 25.58,19.67
VDDA_ADC_3P3 on TOP: 25.22,15.51 26.28,15.51 26.53,15.26 26.53,14.81 26.23,14.51 25.03,14.51 24.85,14.69 24.85,15.14
DCDC_3V3 on TOP: 33.31,7.3 33.31,5.32 33.13,5.14 30.64,5.14 30.4,5.38 30.4,6.2 31.76,7.55 33.07,7.55
DCDC_3V3 on TOP: 54.51,10.91 55.25,11.65 55.25,12.73 55.21,12.78 55.21,13.69 56.23,14.72 56.23,15.29 56.09,15.43 55.4,15.43 52.4,12.43 44.42,12.43 43.32,11.32 43.32,11.16 43.57,10.91
DCDC_3V3 on TOP: 37.49,34.19 38.75,34.19 38.76,34.19 40.36,34.19 40.89,33.66 43.35,33.66 43.6,33.42 43.6,32.67 43.36,32.44 37.73,32.44 37.28,32.89 37.28,33.98
DCDC_3V3 on TOP: 49.41,16.61 50.23,16.61 50.28,16.56 50.28,14.99 50.99,14.28 50.99,13.89 50.81,13.71 49.78,13.71 49.78,13.71 49.15,13.71 49.02,13.84 49.02,14.22 49.32,14.52 49.32,16.52
DCDC_3V3 on TOP: 51.94,33.85 53.55,33.85 53.93,33.48 53.93,31.7 53.71,31.47 51.25,31.47 51.02,31.7 51.02,32.94
DCDC_3V3 on TOP: 30.05,15.42 31.19,15.42 31.32,15.29 31.32,14.87 31.15,14.7 30.32,14.7 30.11,14.48 29.8,14.48 29.65,14.64 29.65,14.89 29.91,15.15 29.91,15.28
DCDC_3V3 on TOP: 50.2,23.69 51.72,23.69 53.43,21.98 53.43,20.85 52.71,20.13 50.87,20.13 49.75,21.24 49.75,23.24
DCDC_3V3 on BOTTOM: 56.38,8.52 56.27,8.62 56.27,9.85 56.12,10 48.74,10 48.74,10.11 49.23,10.6 48.85,10.98 43.73,10.98 43.42,11.28 43.42,15.18 41.44,15.18 41.44,16.26 40.85,16.84 40.85,18.45 40.64,18.67 40.59,18.67 39.32,19.94 39.32,24.59 40.41,25.69 40.41,27.49 41.69,28.77 47.05,28.77 47.51,28.31 47.51,27.51 47.97,27.04 48.13,27.04 48.37,26.8 52.59,26.8 52.77,26.62 52.77,26.25 53.25,25.77 54.78,25.77 55.2,26.19 55.9,26.19 56.11,26.4 56.11,28.53 56.35,28.77 63.94,28.77 64.28,28.43 64.28,11.98 62.96,10.66 61.99,10.66 61.61,10.27 60.74,10.27 60.66,10.19 60.66,9.55 60.61,9.5 60.11,9.5 59.84,9.77 59.84,9.91 59.75,10 57.18,10 56.96,9.78 56.96,8.54 56.94,8.52 ; 19 cut-outs
DCDC_3V3 on BOTTOM: 33.32,5.47 33.06,5.21 30.73,5.21 30.63,5.31 30.63,5.33 30.48,5.49 30.48,8.18 30.23,8.44 29.56,8.44 29.35,8.65 29.35,9.18 31.09,9.18 31.43,8.84 31.43,8.3 31.86,7.87 31.88,7.87 32.13,7.62 33.18,7.62 33.32,7.48
DCDC_3V3 on POWER: 36.14,1.38 36.14,4.4 35.43,5.11 30.6,5.11 29.98,5.73 29.98,7.53 32.49,7.53 32.76,7.8 32.76,9.59 32.59,9.76 29.4,9.76 27.14,12.03 27.14,14.89 27.67,15.43 29.05,15.43 29.69,16.07 29.69,18.7 32.04,18.7 32.05,18.68 32.11,18.74 33.47,18.74 34.92,17.29 36.07,17.29 36.86,16.51 36.86,15.85 37.18,15.53 37.18,15.26 37.61,14.83 37.61,14.52 38.52,13.61 40.23,13.61 40.23,13.6 40.35,13.6 42.28,11.68 44.17,11.68 44.94,10.91 49.18,10.91 49.49,11.22 49.49,14.46 49.71,14.67 55.5,14.67 57.76,12.42 57.87,12.42 58.82,11.47 62.61,11.47 63.71,12.57 63.71,25.59 62.36,26.95 56.77,26.95 56.08,26.25 52.37,26.25 51.17,25.06 50.68,25.06 46.34,29.39 46.34,30.07 45.72,30.69 37.59,30.69 37.34,30.94 37.34,36.04 37.67,36.37 58.6,36.37 60,37.77 60,41.94 67.2,41.94 67.2,23.9 67.19,23.9 67.19,22.37 65.19,20 67.19,17.63 67.19,7.52 66.9,7.22 63.2,7.22 61.5,5.53 58.37,5.53 56.61,3.77 56.61,1.38
DRAM_1V35 on TOP: 30.24,33.78 30.32,33.7 30.32,32.44 30.35,32.41 30.35,32.13 30.1,31.88 27.94,31.88 27.68,32.14 27.68,33.53 27.69,33.53 27.94,33.78
DRAM_1V35 on TOP: 25.63,21.45 29.42,21.45 29.78,21.09 29.78,20.63 29.71,20.56 29.4,20.56 29.26,20.69 28.79,20.69 28.77,20.68 25.6,20.68 25.4,20.88 25.4,21.22
DRAM_1V35 on BOTTOM: 29.3,20.7 28.98,21.02 27.78,21.02 27.62,20.87 27.47,20.87 27.27,21.07 27.27,21.47 26.96,21.79 26.61,21.79 26.24,21.41 26.24,21.01 26.15,20.92 25.8,20.92 25.75,20.97 25.75,21.89 26.23,22.37 27.36,22.37 27.55,21.45 27.73,22.37 28.93,22.37 30.09,21.21 30.09,20.87 29.93,20.7
DRAM_1V35 on POWER: 23.02,20.26 22.79,20.5 18.43,20.5 17.93,21 7.19,21 7.19,21 6.63,21 6.49,21.15 6.49,22.59 6.5,24.18 6.5,36.67 7.04,37.2 7.35,37.51 8.27,38.43 27.6,38.43 29.77,36.26 32.04,36.26 32.45,35.85 32.45,28.56 30.01,26.12 30.01,22.85 30.31,22.55 30.31,21.02 30.07,20.77 25.87,20.77 25.6,21.04 25.6,21.29 25.05,21.84 24.02,21.84 23.75,21.57 23.75,20.47 23.55,20.26
DRAM_VREF on BOTTOM: 15.6,30.54 20.14,30.54 20.41,30.81 22.18,30.81 22.81,30.18 22.81,29.75 24.11,28.45 24.11,28.26 24.69,27.68 24.69,27.49 24.69,27.49 24.69,26.88 24.92,26.64 25.27,26.64 25.55,26.37 25.55,25.95 25.24,25.64 24.41,25.64 23.64,24.88 23.64,24.02 23.73,23.93 23.73,22.57 23.41,22.57 23.13,22.84 23.13,25.55 23.27,25.69 23.27,26.23 23.91,26.87 23.91,27.53 21.94,29.5 15.81,29.5 15.48,29.83 15.48,30.42
EMMC_VDDIM on TOP: 55.19,19.73 57.81,19.73 58.07,19.99 58.98,19.99 58.98,18.08 58.8,17.91 57.64,17.91 56.5,19.05 55.4,19.05 55.04,19.42 55.04,19.57
NVCC_CSI on POWER: 30.57,21.66 30.57,22.65 30.27,22.96 30.27,25.78 32.62,28.14 32.8,28.14 32.8,29.88 33.32,30.4 36.36,30.4 36.9,29.85 36.9,26.73 32.59,22.42 32.28,22.42 32.28,22.31 32.08,22.31 31.42,21.66
NVCC_NAND on POWER: 45.05,11.16 44.27,11.93 42.38,11.93 40.5,13.81 40.03,13.81 39.95,13.89 38.7,13.89 37.97,14.62 37.97,15.02 37.2,15.79 37.2,16.59 36.35,17.44 35.22,17.44 33.68,18.99 32.18,18.99 32.14,18.95 29.69,18.95 29.69,20.52 30.17,20.52 30.57,20.91 30.57,21.4 31.53,21.4 32.18,22.06 32.63,22.06 32.74,22.17 32.74,22.26 32.87,22.39 32.96,22.39 37.15,26.58 37.15,29.98 37.48,30.32 45.43,30.32 45.98,29.76 45.98,29.12 50.51,24.6 51.52,24.6 52.79,25.88 56.31,25.88 56.28,25.85 56.28,25.82 57.15,26.69 62.25,26.69 63.5,25.45 63.5,12.71 62.51,11.72 58.92,11.72 55.57,15.07 49.51,15.07 49.06,14.62 49.06,11.69 49.1,11.66 49.1,11.48 48.78,11.16
NVCC_PLL_OUT on BOTTOM: 22.92,15.01 23.71,15.01 23.88,14.84 23.88,14.56 23.46,14.14 23.46,13.02 23.37,12.93 22.8,12.93 22.66,13.07 22.66,14.75
NVCC_SD on TOP: 42.28,37.49 43.98,37.49 44.15,37.32 44.15,35.71 44.08,35.64 42.16,35.64 41.91,35.9 41.91,37.12
NVCC_SD on BOTTOM: 34.34,25.75 38.01,25.75 38.31,25.45 38.31,23.34 37.57,22.6 33.18,22.6 33,22.77 33,24.41
VEXT_3V3 on TOP: 33.3,3.2 33.59,2.91 33.59,1.36 30.73,1.36 30.67,1.43 30.67,2.81 30.91,3.05 30.9,3.06 30.9,4.34 31.1,4.55 33.13,4.55 33.3,4.38
VEXT_3V3 on BOTTOM: 30.93,3.48 30.93,3.57 30.52,3.99 30.12,3.99 28.88,5.23 28.88,7.89 29.18,8.19 29.72,8.19 29.97,7.93 29.97,5.56 30.53,5 33.14,5 33.33,4.81 33.33,3.27 33.23,3.16 33.23,0.41 31.6,0.41 31.6,3.01 31.54,3.07 31.34,3.07
VLDO_1V8 on TOP: 38.54,32.15 40.02,32.15 40.03,32.14 43.3,32.14 43.46,32.29 44.21,32.29 44.52,31.98 44.52,31.08 43.92,30.47 40.38,30.47 40.31,30.55 39.9,30.13 38.41,30.13 38.24,30.3 38.24,31.85
VLDO_3V3 on TOP: 3.03,40.58 3.03,39.03 2.88,38.88 1.31,38.88 1.21,38.98 1.21,40.52 1.37,40.68 2.93,40.68
VSYS on TOP: 42.39,41.04 42.61,40.82 42.61,40.61 42.79,40.44 44.56,40.44 44.71,40.28 44.71,39.16 44.55,38.99 43.55,38.99 43,38.44 42.12,38.44 42.04,38.52 42.04,39.71 41.92,39.82 41.87,39.82 41.53,40.17 41.53,40.92 41.64,41.04
VSYS on TOP: 7.04,17.6 7.04,15.42 6.99,15.37 6.1,15.37 6.1,16.76 5.97,16.89 3.05,16.89 2.92,17.02 2.92,17.91 3.05,18.03 4.06,18.03 4.45,17.65 6.99,17.65
VSYS on TOP: 34,6.96 34.82,6.96 35.21,6.57 35.21,3.15 35.12,3.07 34.13,3.07 33.72,3.48 33.72,6.68
VSYS on TOP: 54.65,39.86 59.06,39.86 59.46,39.46 59.46,38.36 59.26,38.17 56.74,38.17 56.52,37.95 56.52,36.77 56.44,36.69 56.09,36.69 55.98,36.8 55.98,38.56 55.53,39.01 54.79,39.01 54.59,39.2 54.59,39.8
VSYS on TOP: 1.39,37.85 2,37.85 2.2,37.65 2.2,34.95 2.36,34.79 2.36,28.79 2.74,28.41 2.74,26.41 3.02,26.13 3.02,24.45 2.76,24.2 1.81,24.2 1.03,24.98 1.03,37.49
VSYS on TOP: 34.42,37.21 35.05,37.21 35.05,35.97 35.31,35.71 35.31,31.11 35.18,30.99 34.42,30.99 34.29,31.11 34.29,33.15 34.16,33.27 34.16,36.96
VSYS on BOTTOM: 34.12,0.41 34.01,0.51 34.01,3.02 33.58,3.46 33.58,6.69 33.76,6.87 39.2,6.87 39.28,6.8 39.28,5.66 39.27,5.66 39.27,0.61 39.07,0.41
VSYS on POWER: 0.41,12.72 0.41,17.63 2.41,20 0.41,22.37 0.41,25.16 0.41,41.94 59.75,41.94 59.75,37.88 58.49,36.62 37.47,36.62 36.96,36.11 36.96,31.75 36.45,31.24 33.02,31.24 32.77,31.5 32.77,36.37 32.51,36.62 29.77,36.62 27.71,38.69 8.17,38.69 7.17,37.69 6.86,37.38 6.25,36.78 6.25,24.18 6.24,22.51 6.22,22.5 6.22,21.18 6.12,21.07 5.57,21.07 5.38,20.88 5.38,10.28 6.01,9.65 25.73,9.65 27.85,7.53 29.73,7.53 29.73,5.63 30.5,4.86 35.32,4.86 35.89,4.3 35.89,1.38 27.42,1.38 27.42,3.87 26.41,4.88 19.09,4.88 17.01,6.95 4.24,6.95 1.96,9.23 1.96,11.75 0.99,12.72
N470460 on TOP: 34.04,33.05 34.04,31.78 33.07,31.78 32.47,32.38 31.53,32.38 31.36,32.55 31.36,33.82 31.37,33.83 31.17,34.03 30.39,34.03 30.24,34.18 26.78,34.18 26.67,34.29 26.67,34.65 26.67,34.65 26.67,35.75 26.8,35.87 30.49,35.87 30.78,35.59 33.68,35.59 33.81,35.46 33.81,33.28
N475886 on TOP: 11.08,18.08 12.88,16.28 12.88,15.49 12.9,15.47 14.25,15.47 14.33,15.39 14.33,14.61 14.14,14.42 12.41,14.42 11.37,15.46 8.04,15.46 7.49,16 7.49,18.41 7.87,18.8 10.8,18.8 11.08,18.51
N475886 on BOTTOM: 9.29,17.27 9.29,17.19 9.01,16.9 8.27,16.9 8.26,16.89 6.6,16.89 6.53,16.96 6.53,17.71 7.16,18.34 7.16,20.93 7.7,21.46 8.69,21.46 9.65,20.5 9.65,19.53 10.54,18.64 10.54,17.6 10.21,17.27
N476046 on TOP: 6.07,12.6 6.07,13.81 6.1,13.84 11.81,13.84 11.94,13.72 11.94,12.32 11.68,12.06 8.13,12.06 7.75,12.45 6.22,12.45
N482959 on TOP: 54.59,35.54 54.94,35.54 55.16,35.31 55.16,34.19 54.96,33.99 54.11,33.99 53.63,34.47 52.11,34.47 51.66,34.02 51.66,34 51.32,33.66 50.05,33.66 49.75,33.95 49.75,34.87 49.47,35.15 47.24,35.15 46.94,35.45 46.94,36.75 47.11,36.92 52.88,36.92 53.03,36.77 53.97,36.77 54.07,36.67 54.07,36.05
N483147 on TOP: 54.64,38.74 55.33,38.74 55.81,38.26 55.81,36.68 55.73,36.6 55.43,36.6 55.31,36.72 55.31,37.95 55.14,38.12 54.09,38.12 52.96,39.26 51.39,39.26 50.78,38.66 47.06,38.66 46.87,38.85 46.87,40.36 47.27,40.75 53.21,40.75 53.89,40.07 53.89,39.49
N100054789 on TOP: 33.91,38.36 31.37,38.36 30.75,37.74 26.8,37.74 26.7,37.84 26.7,39.08 27.55,39.93 35,39.93 35.05,39.88 35.05,38.73 34.93,38.61 34.16,38.61

## Text on the board
BOTTOM: 170-29364 REV B | 7 OF 10 | SECONDARY SIDE
Board Geometry/Soldermask Bottom: 8 OF 10 | SECONDARY SOLDERMASK
Ref Des/Silkscreen Bottom: MCIMX6ULL-CM | A | 700-29364 REV B | SCH-29364 REV B | 9 OF 10 | SECONDARY SILKSCREEN
User.Comments: 1 OF 1 | TEST PROBE | 1/1 | 1
TOP: 4 OF 10 | PRIMARY SIDE
Board Geometry/Soldermask Top: 3 OF 10 | PRIMARY SOLDERMASK
Ref Des/Silkscreen Top: 2 OF 10 | PRIMARY SILKSCREEN
GND: 5 OF 10 | GROUND PLANE
POWER: 6 OF 10 | POWER PLANE
DIMENSION: PRIMARY DATUM | GRID ORIGIN | VIEW FROM PRIMARY SIDE
BODY_CENTER: 19 | 7B | 16 | BOTH SIDE
PASTEMASK_TOP: 1 OF 10 | PRIMARY SOLDER PASTE
User.6: 10 OF 10 | SECONDARY SOLDER PASTE
User.23: 09-07-22 | A.G. | L.P. | A.Z. | B | ORIGINAL RELEASE
User.27: FIGURE | FINISHED_SIZE | 10.0 | DRILL CHART: TOP to BOTTOM | ALL UNITS ARE IN MILS | TOLERANCE_DRILL | +0.0/-10.0 | PLATED | QTY | 39 | 689
User.28: 4 | 7 | 100
